# Altium PCB LimeSDR_1v2s.PcbDoc (part 7 of 9)
Units mm, origin at the board's own origin, x right, y up, seen from the top; angles counter-clockwise.
Board outline 100 x 60 mm, 12 copper layers (Top, L2, L3, L4, L5, L6, L7, L8, L9, L10, L11, Bottom), stack 1.58 mm thick; 795 components, 584 nets, 3854 pads, 2079 vias.
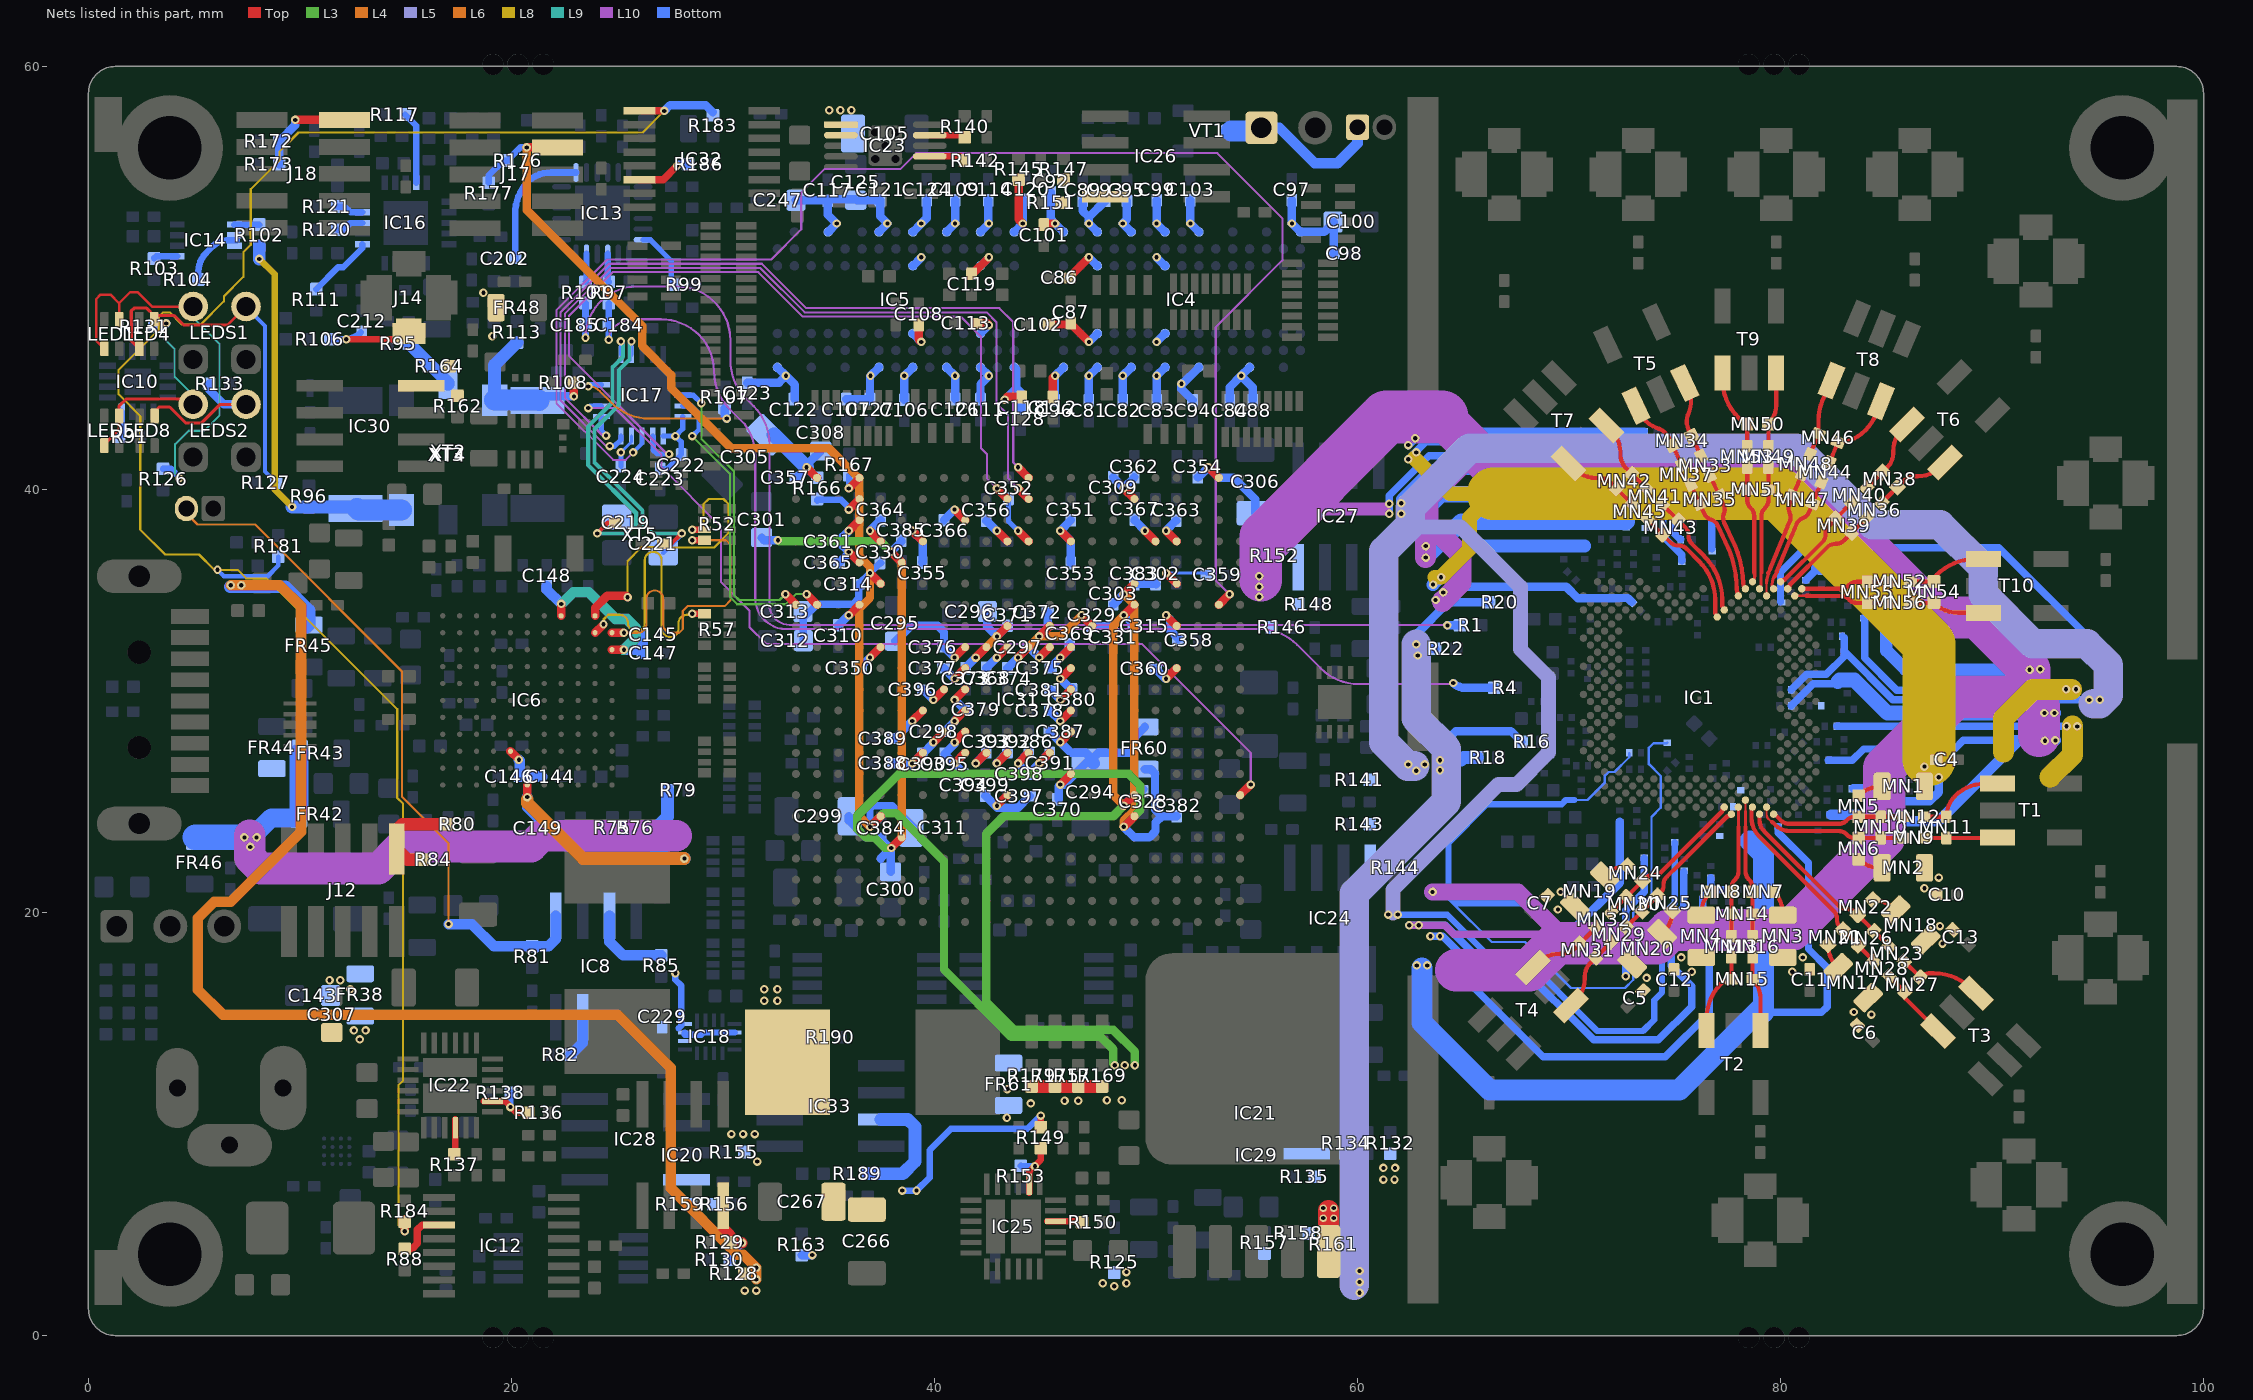
[diagram p17: the nets of this part, all layers, seen from the top]

## Via types
v1: diameter 0.4, hole 0.2, Top to Bottom, tented both sides, 1231 vias
v2: diameter 0.4, hole 0.2, Top to Bottom, tented top, 420 vias
v3: diameter 0.4, hole 0.2, Top to Bottom, 281 vias
v4: diameter 0.35, hole 0.2, Top to Bottom, tented top, 86 vias
v5: diameter 0.35, hole 0.2, Top to Bottom, tented both sides, 41 vias
v6: diameter 0.5, hole 0.2, Top to Bottom, tented both sides, 20 vias

## Nets (pads, with @x,y where several pads share a name; then routed paths per layer and width w, separated by ;. In a path a pad name is that pad's centre, name@x,y a point inside that pad or via, vN(x,y) a via of type N, cw(c..) or ccw(c..) an arc to the next point about the centre after c; other vN are vias at no path point) (continued)
NetIC6_K10: IC6.K10 R57.1 | length 13.9
  Top w0.3: v1(28.55,34.125) R57.1@29.125,34.125
  Top w0.4: IC6.K10@23.95,33.225 v2(24.35,33.625)
  L8 w0.1: v2(24.35,33.625) 24.35,33.85 24.575,34.075 25.1,34.075 25.12,34.075 cw(c25.12,33.695) 25.5,33.695 ccw(c25.9,33.695) 25.9,33.295 ccw(c25.9,33.695) 26.3,33.695 26.3,34.075 26.3,36.65 cw(c26.7,36.65) 26.7,37.05 cw(c26.7,36.65) 27.1,36.65 27.1,34.075 27.1,33.425 ccw(c27.5,33.425) 27.5,33.025 ccw(c27.5,33.425) 27.9,33.425 27.9,33.675 cw(c28.3,33.675) 28.3,34.075 28.4,34.075 28.5,34.075 v1(28.55,34.125)
NetIC6_K11: IC6.K11 R52.5 | length 14.2
  Top w0.3: v1(28.55,38.1) R52.5@29.125,38.1
  Top w0.4: IC6.K11@23.95,34.025 23.95,34.4 24.525,34.975 25.416,34.975 v2(25.491,34.9)
  L8 w0.1: v2(25.491,34.9) 25.491,36.616 26.142,37.267 26.883,37.267 26.899,37.25 29.575,37.25 30.275,37.95 30.275,39.3 30.025,39.55 29.325,39.55 29.075,39.3 29.075,38.25 28.925,38.1 v1(28.55,38.1)
NetIC6_L10: IC6.L10 R52.7 | length 15.2
  Top w0.3: v1(28.55,37.6) R52.7@29.125,37.6
  Top w0.4: IC6.L10@24.75,33.225 v2(25.316,33.225)
  L4 w0.1: v2(25.316,33.225) 25.975,33.225 ccw(c25.975,33.625) 26.375,33.625 26.375,34.825 cw(c26.775,34.825) 26.775,35.225 cw(c26.775,34.825) 27.175,34.825 27.175,33.625 ccw(c27.575,33.625) 27.575,33.225 27.7,33.225 27.925,33.225 28.1,33.4 28.1,34.255 28.345,34.5 30.1,34.5 30.35,34.75 30.35,37.4 30.15,37.6 v1(28.55,37.6)
NetIC8_1: IC8.1 J13.2 R81.2 | length 33.1
  L4 w0.1: J13.2@4.63,39.1 4.63,38.87 5.158,38.342 7.88,38.342 14.825,31.397 14.825,30.789 14.825,25.467 16.299,23.994 17.025,23.267 v1(17.025,19.45)
  Bottom w0.5: v1(17.025,19.45) 18.125,19.45 19.175,18.4 R81.2@20.975,18.4 21.75,18.4 22.095,18.745 IC8.1@22.095,19.85
NetIC8_3: IC8.3 R85.2 | length 3.9
  Bottom w0.5: IC8.3@24.635,19.85 24.635,18.615 25.275,17.975 R85.2@27.075,17.975
NetIC8_7: IC8.7 R82.2 | length 2
  Bottom w0.5: R82.2@22.8,13.275 23.365,13.84 IC8.7@23.365,15.05
NetIC10_16: IC10.16 R91.2 | length 1.2
  Bottom w0.3: R91.2@1.475,42.5 1.575,42.6 IC10.16@1.575,43.675
NetIC12_3: IC12.3 R88.2 | length 2.5
  Top w0.35: R88.2@14.95,4.1 15.3,4.1 15.55,4.35 15.55,5 15.775,5.225 IC12.3@16.575,5.225
NetIC13_3: IC13.3 R97.2 | length 1.3
  Bottom w0.3: IC13.3@24.55,51.138 24.55,49.863 R97.2@24.6,49.813
NetIC13_5: IC13.5 R101.2 | length 1.3
  Bottom w0.3: R101.2@23.5,49.813 23.55,49.863 IC13.5@23.55,51.138
NetIC13_24: IC13.24 R99.2 | length 2.9
  Bottom w0.25: IC13.24@26.225,51.813 26.55,51.813 27.55,50.813 27.55,49.8 R99.2@27.675,49.675
NetIC14_1: IC14.1 R102.1 | length 1.2
  Bottom w0.309: IC14.1@6.9,52.525 R102.1@8.075,52.525
NetIC14_2: IC14.2 IC14.3 R104.2 | length 3
  Bottom w0.309: R104.2@5.2,49.925 5.2,50.3 cw(c6.467,50.3) 5.571,51.196 5.875,51.5 ; 5.875,51.5 cw(c6.539,50.836) 6.539,51.775 7,51.775
NetIC14_5: IC14.5 R103.2 | length 1.1
  Bottom w0.3: R103.2@3.1,50.925 3.2,51.025 IC14.5@4.2,51.025
NetIC16_11: IC16.11 R111.1 | length 3.2
  Bottom w0.3: R111.1@10.775,49.475 11.8,50.5 12.05,50.5 12.95,51.4 IC16.11@12.95,51.6
NetIC16_13: IC16.13 R120.2 | length 1.3
  Bottom w0.3: R120.2@11.775,52.275 12.05,52.275 12.375,52.6 IC16.13@12.95,52.6
NetIC16_14: IC16.14 R121.2 | length 1.3
  Bottom w0.3: R121.2@11.775,53.375 12.125,53.375 12.4,53.1 IC16.14@12.95,53.1
NetIC16_19: IC16.19 R117.1 | length 3.4
  Bottom w0.3: R117.1@14.975,57.725 15.5,57.2 IC16.19@15.5,54.5
NetIC20_4: IC20.4 R129.2 R130.2 | length 3.5
  Top w0.5: IC20.4@30.005,6.125 30.005,5.095 30.35,4.75 R129.2@30.35,4.4 30.875,4.4 v1(30.9,4.375)
  Bottom w0.4: R130.2@30.325,3.575 30.325,3.8 v1(30.9,4.375)
NetIC21_4: IC21.4 R134.2 R135.2
NetIC22_2: IC22.2 R136.2 R138.2 | length 3
  Top w0.309: IC22.2@18.7,11.075 IC22.2@19.1,11.075 19.7,11.075 20.25,10.525 R136.2@20.8,10.525
  Bottom w0.309: v1(19.95,10.8) 19.95,11.45 R138.2@19.975,11.475
NetIC22_22: IC22.22 R137.1 | length 1.6
  Top w0.309: R137.1@17.35,8.625 IC22.22@17.35,10.225
NetIC23_7: IC23.7 R142.2 | length 1.7
  Top w0.3: IC23.7@39.775,55.75 41.225,55.75 R142.2@41.425,55.55
NetIC23_9: IC23.9 R140.2 | length 1.7
  Top w0.3: IC23.9@39.775,56.75 41.325,56.75 R140.2@41.425,56.65
NetIC24_4: IC24.4 R143.2 R144.1
NetIC25_2: IC25.2 R149.2 R153.1 | length 3
  Top w0.309: IC25.2@44.475,6.75 IC25.2@44.475,7.15 44.475,7.75 45.025,8.3 R149.2@45.025,8.85
  Bottom w0.309: R153.1@44.075,8.025 44.1,8 v1(44.75,8)
NetIC25_22: IC25.22 R150.1 | length 1.6
  Top w0.309: IC25.22@45.325,5.4 R150.1@46.925,5.4
NetIC26_4: IC26.4 R147.2 R151.2
NetIC27_4: IC27.4 R148.2 R152.2
NetIC28_4: IC28.4 R156.2 R159.2
NetIC29_5: IC29.5 R158.2 R161.1 | length 1.9
  Top w1: IC29.5@58.635,3.975 58.635,5.905
  other v5: 58.375,5.55 58.875,5.55 58.375,6.025 58.875,6.025
NetIC30_4: IC30.4 R162.2 R164.2
NetIC31_AA19: IC31.AA19 R166.1 | length 2.5
  Top w0.4: v1(35.95,39.05) IC31.AA19@36.45,39.55
  Bottom w0.309: R166.1@34.454,39.479 34.454,39.505 35.595,39.505 35.95,39.15 v1(35.95,39.05)
NetIC31_AB19: IC31.AB19 R167.2 | length 1.3
  Top w0.4: v1(35.95,40.05) IC31.AB19@36.45,40.55
  Bottom w0.309: v1(35.95,40.05) 35.975,40.075 R167.2@35.975,40.675
NetIC32_1: IC32.1 R181.1 R183.2 R184.1 | length 90.8
  Top w0.35: IC32.1@26.175,57.9 v1(27.225,57.9)
  Top w0.4: v1(14.95,4.925) R184.1@14.95,5.5
  L8 w0.1: v1(14.95,4.925) 14.65,5.225 14.65,11.83 14.875,12.055 14.875,25.141 14.6,25.416 14.6,29.607 8.407,35.8 7.461,35.8 7.061,36.2 v1(6.1,36.2) 5.95,36.2 5.225,36.925 3.624,36.925 2.45,38.099 2.45,43.472 1.425,44.497 1.425,45.653 3.325,47.553 3.325,48.17 3.53,48.375 3.845,48.375 4.42,47.8 5.302,47.8 6.4,48.898 6.4,49.125 7.325,50.05 7.325,51.216 7.675,51.566 7.675,54.2 9.025,55.55 9.025,55.97 9.93,56.875 26.2,56.875 v1(27.225,57.9)
  Bottom w0.2: v1(6.1,36.2) 6.4,35.9 8.475,35.9 8.975,36.4 R181.1@8.975,36.825
  Bottom w0.4: v1(27.225,57.9) 27.5,58.175 29.175,58.175 R183.2@29.525,57.825
NetIC32_6: IC32.6 R186.1 | length 2.6
  Top w0.35: IC32.6@26.05,54.65 27.175,54.65 v1(27.825,55.3)
  Bottom w0.35: v1(27.825,55.3) 27.9,55.375 R186.1@28.35,55.375
NetIC33_3: IC33.3 R190.2 | length 4.2
  Bottom w0.6: IC33.3@32.675,11.485 33.985,11.485 34.575,12.075 R190.2@34.575,14.1
NetIC33_7: IC33.7 R189.2 | length 5.9
  Bottom w0.6: R189.2@36.85,7.65 38.5,7.65 39.075,8.225 39.075,9.875 38.735,10.215 IC33.7@37.475,10.215
NetJ12_10: J12.10 R80.1 R84.2 | length 4.8
  Top w0.6: R84.2@15.8,22.5 15.075,22.5 J12.10@14.575,23 14.575,23.9 14.85,24.175 R80.1@16.925,24.175
NetJ18_2: J18.2 R172.2 R173.2 | length 4.7
  Top w0.4: v1(9.775,57.475) J18.2@12.1,57.475
  Bottom w0.4: R173.2@9.025,55.375 R172.2@9.025,56.475 9.775,57.225 v1(9.775,57.475)
NetJ19_1: J19.1 J20.1 VT1.D | length 7.6
  Bottom w0.5: J19.1@55.455,57.1 56.3,57.1 57.975,55.425 59.053,55.425 60,56.372 J20.1@60,57.125
  Bottom w1: VT1.D@54.05,56.95 J19.1@55.255,56.95
NetLED1_1: LED1.1 LED1.4 LEDS1.A1 R126.2 | length 19.6
  Top w0.12: LED1.4@0.75,46.65 0.36,47.04 0.36,48.994 0.576,49.21 1.04,49.21 1.445,48.805 1.976,49.335 2.322,49.335 3.007,48.65 LEDS1.A1@4.95,48.65 ; LED1.1@1.45,48.05 1.45,48.805
  L9 w0.1: v1(4.3,40.525) 4.1,40.725 4.1,42.142 4.733,42.775 5.468,42.775 6.2,43.507 6.2,46.873 4.95,48.123 LEDS1.A1@4.95,48.625
  Bottom w0.3: R126.2@3.525,40.975 3.9,40.975 v1@4.3,40.575
NetLED4_1: LED4.1 LED4.4 LEDS1.A2 R127.2 | length 17
  Top w0.15: LED4.4@2.4,46.65 2.025,47.025 2.025,48.443 2.157,48.575 2.75,48.575 3.1,48.225 4.05,48.225 4.5,47.775 6.575,47.775 LEDS1.A2@7.45,48.65
  Bottom w0.2: LEDS1.A2@7.45,48.625 8.35,47.725 8.35,40.85 R127.2@8.875,40.325 ; R127.2@8.788,40.237 R127.2@8.8,40.225
NetLED5_1: LED5.1 LED5.4 LEDS2.A1 R131.2 | length 10.9
  Top w0.15: LED5.4@0.75,42.075 0.75,42.143 1.45,42.843 LED5.1@1.45,43.475 1.45,43.95 1.775,44.275 4.7,44.275 LEDS2.A1@4.95,44.025
  L9 w0.1: v1(3.675,47.85) 3.6,47.775 3.6,47.1 4.075,46.625 4.075,45.325 4.95,44.45 LEDS2.A1@4.95,44.025
  Bottom w0.4: R131.2@3.125,47.7 3.525,47.7 v1(3.675,47.85)
NetLED8_1: LED8.1 LEDS2.A2 R133.2 | length 7.6
  Top w0.15: LED8.1@3.125,43.475 3.125,43.675 3.35,43.9 3.838,43.9 4.588,43.15 5.35,43.15 6.225,44.025 LEDS2.A2@7.45,44.025
  Bottom w0.4: R133.2@5.7,45 5.7,44.725 6.4,44.025 LEDS2.A2@7.45,44.025
NetMN1_1: MN1.1 MN5.2 | length 1.2
  Top w0.2: MN5.2@83.695,25.523 cw(c84.72,24.498) 84.72,25.947 MN1.1@84.805,25.947
NetMN2_1: MN2.1 MN6.2 | length 1.2
  Top w0.2: MN6.2@83.695,22.523 ccw(c84.711,23.538) 84.711,22.102 MN2.1@84.806,22.102
NetMN3_1: MN3.1 MN7.2 | length 1.2
  Top w0.2: MN7.2@79.68,20.984 cw(c78.656,19.959) 80.105,19.959 MN3.1@80.105,19.874
NetMN4_1: MN4.1 MN8.2 | length 1.2
  Top w0.2: MN4.1@76.26,19.874 76.26,19.969 cw(c77.696,19.969) MN8.2@76.681,20.984
NetMN17_1: MN17.1 MN21.2 | length 1.2
  Top w0.2: MN21.2@82.242,18.466 ccw(c83.678,18.466) 82.663,17.45 MN17.1@82.73,17.383
NetMN18_1: MN18.1 MN22.2 | length 1.2
  Top w0.2: MN22.2@84.364,20.587 cw(c84.364,19.137) 85.389,20.162 MN18.1@85.449,20.102
NetMN19_1: MN19.1 MN24.2 | length 1.2
  Top w0.2: MN19.1@71.689,21.711 71.756,21.778 cw(c72.771,20.763) MN24.2@72.771,22.199
NetMN20_1: MN20.1 MN25.2 | length 1.2
  Top w0.2: MN20.1@74.408,18.993 74.468,19.053 ccw(c73.443,20.077) MN25.2@74.892,20.077
NetR95_1: R95.1 XT2.6 | length 2.7
  Bottom w0.6: R95.1@15.15,46.9 17,45.05 XT2.6@17,44.975
NetR96_2: R96.2 R102.2 XT2.4 XT3.3 XT4.3 | length 18.2
  L8 w0.3: v1(8.075,50.9) 8.8,50.175 8.8,40 v1(9.625,39.175)
  Bottom w0.6: v1(8.075,50.9) R102.2@8.075,51.525 ; v1(9.625,39.175) R96.2@10.425,39.175 XT3.3@12.7,39.175
  Bottom w1: XT3.3@12.7,39.1 12.775,39.025 XT2.4@14.8,39.025
REF_ADF: C202.2 IC13.13 | length 6.2
  Bottom w0.309: C202.2@20.175,50.9 20.175,53.039 cw(c22.405,53.039) 20.416,54.048 cw(c22.405,53.039) 20.828,54.615 cw(c21.877,53.323) 21.877,54.988 IC13.13@23.05,54.988
REF_CLK: C212.1 J14.1 R106.2 | length 4.6
  Top w0.309: v1(12.19,47.1) 14.245,47.1 ccw(c14.245,48.38) J14.1@15.15,47.475
  Bottom w0.309: R106.2@11.425,47.1 12.09,47.1 ccw(c12.09,48.21) C212.1@12.875,47.425
RXPLL_CLK: C185.2 R1.2 R101.1 | length 57.6
  L10 w0.1: v1(23.5,47.175) cw(c25.925,47.175) 25.925,49.6 27.81,49.6 cw(c27.81,47.06) 30.35,47.06 30.35,46.096 ccw(c32.89,46.096) 30.621,44.954 ccw(c32.89,46.096) 31.094,44.3 31.456,43.937 cw(c29.66,42.141) 32.2,42.141 32.2,34.553 ccw(c33.153,34.553) 33.153,33.6 64.225,33.6 cw(c64.225,33.575) v1(64.25,33.575)
  Bottom w0.309: v1(23.5,47.175) 23.5,47.763 R101.1@23.5,48.813
  Bottom w0.4: v1(64.25,33.575) R1.2@64.85,33.575
RXRF1_HAB_N: IC1.AJ15 MN43.1 MN45.2 | length 6.1
  Top w0.2: MN45.2@73.703,38.59 MN43.1@74.445,37.848 74.794,37.5 ccw(c75.153,37.859) 75.153,37.351 75.199,37.351 cw(c75.199,36.843) 75.558,37.202 76.158,36.602 cw(c74.344,34.789) 76.909,34.789 76.909,34.705 76.909,34.214 ccw(c77.25,34.214) IC1.AJ15@77.009,33.972
RXRF1_HAB_P: IC1.AK14 MN41.2 MN43.2 | length 6
  Top w0.2: MN41.2@74.41,39.297 MN43.2@75.153,38.555 75.501,38.207 cw(c75.141,37.848) 75.649,37.848 75.649,37.802 ccw(c76.157,37.802) 75.798,37.443 76.398,36.843 cw(c74.361,34.805) 77.242,34.805 77.242,34.722 77.242,34.547 ccw(c77.583,34.547) IC1.AK14@77.342,34.305
RXRF1_HBB_N: MN42.1 MN45.1 T7.6 | length 3.7
  Top w0.2: T7.6@70.005,41.199 70.213,40.992 ccw(c71.29,42.069) 71.29,40.545 71.383,40.545 cw(c71.383,39.664) 72.006,40.287 72.228,40.065 MN42.1@72.253,40.04 MN45.1@72.996,39.297
RXRF1_HBB_P: MN41.1 MN42.2 T7.4 | length 3.7
  Top w0.2: T7.4@71.776,43.021 71.984,42.813 cw(c70.906,41.735) 72.43,41.735 72.43,41.642 ccw(c73.311,41.642) 72.688,41.019 ; 72.713,40.994 MN42.2@72.961,40.747 73.42,40.287 MN41.1@73.703,40.004
RXRF1_LAB_N: IC1.AM12 MN35.1 MN37.2 | length 5.8
  Top w0.2: MN37.2@75.755,40.245 76.199,39.294 76.407,38.847 ccw(c76.868,39.062) 76.694,38.585 76.737,38.569 cw(c76.563,38.092) 77.024,38.306 ; 77.037,38.278 77.53,37.221 cw(c72.932,35.248) 77.935,35.269 ccw(c78.277,35.269) IC1.AM12@78.035,35.027
RXRF1_LAB_P: IC1.AN11 MN33.2 MN35.2 | length 5.7
  Top w0.2: MN33.2@76.662,40.668 77.105,39.716 77.313,39.27 cw(c76.853,39.055) 77.33,38.882 77.315,38.839 ccw(c77.792,38.665) 77.332,38.45 77.838,37.365 cw(c73.24,35.391) 78.241,35.546 ccw(c78.582,35.546) IC1.AN11@78.341,35.304
RXRF1_LBB_N: MN34.1 MN37.1 T5.3 | length 3.7
  Top w0.2: T5.3@73.173,43.962 73.297,43.696 ccw(c74.678,44.34) 74.157,42.908 74.244,42.876 cw(c73.942,42.048) 74.741,42.42 MN34.1@74.889,42.103 MN37.1@75.333,41.152
RXRF1_LBB_P: MN33.1 MN34.2 T5.1 | length 3.7
  Top w0.2: T5.1@75.475,45.035 75.653,44.653 cw(c74.552,44.14) 75.693,43.724 75.618,43.517 ccw(c76.446,43.215) 75.647,42.843 MN34.2@75.795,42.526 76.07,41.937 MN33.1@76.239,41.574
RXRF1_WAB_N: IC1.AP10 MN51.2 MN53.2 | length 5.5
  Top w0.16: IC1.AP10@78.674,35.637 ccw(c78.428,35.884) 78.776,35.884 78.776,36.019 cw(c78.824,36.067) 78.756,36.067
  Top w0.2: MN53.2@78.426,41.042 MN51.2@78.426,39.992 78.426,39.5 ccw(c78.934,39.5) 78.575,39.141 78.607,39.109 cw(c78.248,38.749) 78.756,38.749 78.756,36.067
RXRF1_WAB_P: IC1.AN9 MN49.2 MN51.1 | length 5.9
  Top w0.14: IC1.AN9@79.007,35.304 ccw(c78.84,35.471) 79.076,35.471 79.076,35.769
  Top w0.16: 79.076,35.769 79.076,36.023 ccw(c79.028,36.071) 79.096,36.071
  Top w0.2: 79.096,36.071 79.096,38.749 cw(c79.604,38.749) 79.245,39.109 79.277,39.141 ccw(c78.918,39.5) 79.426,39.5 MN51.1@79.426,39.992 MN49.2@79.426,41.042
RXRF1_WBB_N: MN50.1 MN53.1 T9.3 | length 3.9
  Top w0.2: T9.3@77.256,45.502 77.256,45.197 ccw(c79.796,45.197) 78,43.401 78.226,43.175 ccw(c78.426,43.376) MN50.1@78.426,43.092 MN53.1@78.426,42.042
RXRF1_WBB_P: MN49.1 MN50.2 T9.1 | length 3.6
  Top w0.2: MN49.1@79.426,42.042 MN50.2@79.426,43.092 ccw(c78.533,43.986) 79.796,43.986 T9.1@79.796,45.502
RXRF2_HAB_N: IC1.AM8 MN47.1 MN48.2 | length 6.1
  Top w0.11: IC1.AM8@79.34,34.971 79.34,35.567
  Top w0.15: 79.34,35.567 cw(c80.399,35.567) 79.439,36.015
  Top w0.2: 79.421,36.046 79.515,36.249 ; 79.508,36.245 80.452,38.524 ; 80.437,38.487 ccw(c79.968,38.681) 80.437,38.876 80.42,38.918 cw(c80.889,39.113) 80.42,39.307 MN47.1@80.589,39.716 MN48.2@81.01,40.732
RXRF2_HAB_P: IC1.AN7 MN44.2 MN47.2 | length 5.6
  Top w0.14: 79.605,35.469 ccw(c79.837,35.469) IC1.AN7@79.673,35.304
  Top w0.15: 79.605,35.469 79.605,35.523 cw(c80.417,35.523) 79.681,35.866
  Top w0.2: 79.726,35.894 79.82,36.096 ; 79.819,36.106 80.751,38.357 cw(c81.221,38.162) 81.026,38.632 81.069,38.649 ccw(c80.874,39.119) 81.344,38.924 MN47.2@81.513,39.333 MN44.2@81.934,40.349
RXRF2_HBB_N: MN46.1 MN48.1 T8.6 | length 3.7
  Top w0.2: MN48.1@81.393,41.656 MN46.1@81.794,42.626 81.795,43.253 cw(c84.335,43.253) T8.6@82.538,45.049
RXRF2_HBB_P: MN44.1 MN46.2 T8.4 | length 4.5
  Top w0.2: MN44.1@82.317,41.273 82.47,41.643 MN46.2@82.718,42.243 ccw(c82.718,44.028) 83.98,42.766 84.004,42.789 ccw(c82.208,44.586) T8.4@84.748,44.586
RXRF2_LAB_N: IC1.AP6 MN39.1 MN40.2 | length 5.1
  Top w0.2: IC1.AP6@80.006,35.637 80.041,35.672 cw(c80.199,35.514) 80.199,35.737 81.983,37.522 ccw(c81.624,37.881) 82.132,37.881 82.132,37.927 cw(c82.64,37.927) 82.28,38.286 82.628,38.634 MN40.2@83.371,39.376
RXRF2_LAB_P: IC1.AN5 MN36.2 MN39.2 | length 5.1
  Top w0.2: IC1.AN5@80.339,35.304 80.374,35.339 ccw(c80.215,35.497) 80.439,35.497 82.223,37.281 cw(c82.582,36.922) 82.582,37.43 82.628,37.43 ccw(c82.628,37.938) 82.987,37.579 83.336,37.927 MN36.2@84.078,38.669
RXRF2_LBB_N: MN38.1 MN40.1 T6.3 | length 3.7
  Top w0.2: MN40.1@84.078,40.083 MN38.1@84.82,40.826 84.846,40.851 85.068,41.073 ccw(c84.445,41.697) 85.326,41.696 85.326,41.789 cw(c86.85,41.789) 85.772,42.867 T6.3@85.98,43.075
RXRF2_LBB_P: MN36.1 MN38.2 T6.1 | length 3.7
  Top w0.2: MN36.1@84.785,39.376 85.068,39.659 MN38.2@85.528,40.119 85.775,40.366 cw(c86.398,39.743) 86.398,40.624 86.491,40.624 ccw(c86.491,42.148) 87.568,41.071 T6.1@87.776,41.278
RXRF2_WAB_N: IC1.AM4 MN55.2 MN56.2 | length 4.6
  Top w0.11: IC1.AM4@80.672,34.971 81.226,34.971
  Top w0.2: 81.226,34.971 81.373,34.971 81.377,34.968 82.851,34.968 cw(c82.851,34.46) 83.21,34.819 83.243,34.787 ccw(c83.602,35.146) 83.602,34.638 MN55.2@84.094,34.638 MN56.2@85.144,34.638
RXRF2_WAB_P: IC1.AN3 MN52.2 MN55.1 | length 4.2
  Top w0.2: IC1.AN3@81.005,35.304 81.369,35.304 81.373,35.308 82.851,35.308 ccw(c82.851,35.816) 83.21,35.457 83.243,35.489 cw(c83.602,35.13) 83.602,35.638 MN55.1@84.094,35.638 MN52.2@85.144,35.638
RXRF2_WBB_N: MN54.1 MN56.1 T10.1 | length 3.5
  Top w0.2: MN56.1@86.144,34.638 86.544,34.638 MN54.1@87.194,34.638 ; MN54.1@87.254,34.643 ccw(c88.401,35.79) 88.401,34.168 T10.1@89.604,34.168
RXRF2_WBB_P: MN52.1 MN54.2 T10.3 | length 3.8
  Top w0.2: MN52.1@86.144,35.638 MN54.2@87.194,35.638 ; MN54.2@87.254,35.643 cw(c87.704,35.643) 87.386,35.961 87.389,35.964 cw(c89.185,34.168) 89.185,36.708 T10.3@89.604,36.708
SI5351_XTAL_N: C221.2 IC17.2 XT5.3 | length 15.3
  Top w0.2: C221.2@27.175,37.425 27.55,37.425 v1(28.05,37.925)
  L9 w0.2: v1(25.675,47) 25.575,46.9 25.575,46.151 25.075,45.651 25.075,44.001 23.925,42.851 23.925,41.274 26.2,38.999 26.2,38.4 26.675,37.925 v1(28.05,37.925)
  Bottom w0.2: IC17.2@25.675,46.375 v1(25.675,47) ; XT5.3@27.175,37 28.05,37.875 v1(28.05,37.925)
SI5351_XTAL_P: C219.2 IC17.1 XT5.1 | length 15.2
  Top w0.2: v1(24.05,37.925) 24.55,38.425 C219.2@24.9,38.425
  L9 w0.2: v1(24.05,37.925) 25.425,37.925 25.9,38.4 25.9,38.875 23.625,41.15 23.625,42.975 24.775,44.125 24.775,45.775 25.275,46.275 25.275,46.9 v1(25.175,47)
  Bottom w0.2: v1(24.05,37.925) 24.825,38.7 XT5.1@24.975,38.7 ; IC17.1@25.175,46.375 v1(25.175,47)
SI_CLK0: IC17.13 IC31.T2 | length 70
  Top w0.4: IC31.T2@53.45,34.55 v2(53.95,35.05)
  L10 w0.1: v1(25.75,41.75) 25.4,41.4 24.805,41.4 22.125,44.08 22.125,48.475 24.525,50.875 32.275,50.875 33.7,52.3 33.7,54.05 34.795,55.145 38.375,55.145 39.13,55.9 53.37,55.9 56.45,52.82 56.45,50.83 53.3,47.68 53.3,35.7 v2(53.95,35.05)
  Bottom w0.2: v1(25.75,41.75) 26.175,42.175 IC17.13@26.175,42.525
SI_CLK1: IC17.12 IC31.AA12 | length 39.8
  Top w0.4: v1(42.95,40.05) IC31.AA12@43.45,39.55
  L10 w0.1: v1(27.45,41.675) 27.355,41.675 22.725,46.305 22.725,48.226 24.774,50.275 31.675,50.275 33.775,48.175 41.25,48.175 42.2,47.225 42.2,41.95 42.475,41.675 42.475,40.525 v1(42.95,40.05)
  Bottom w0.25: IC17.12@26.675,42.525 26.7,42.5 26.7,41.875 26.9,41.675 v1(27.45,41.675)
SI_CLK2: IC17.9 IC31.T21 | length 15.1
  Top w0.4: v1(33.95,35.05) IC31.T21@34.45,34.55
  L3 w0.1: v1(28.55,42.525) 30.325,40.75 30.325,34.922 30.672,34.575 32.97,34.575 33.445,35.05 v1(33.95,35.05)
  Bottom w0.25: IC17.9@28.1,43.95 28.499,43.95 28.875,43.574 28.875,42.85 v1(28.55,42.525)
SI_CLK3: IC17.8 IC31.T22 | length 14.1
  Top w0.4: v1(32.95,35.05) IC31.T22@33.45,34.55
  L3 w0.1: v1(28.975,44.075) 28.975,42.4 30.525,40.85 30.525,35.005 30.755,34.775 32.675,34.775 v1(32.95,35.05)
  Bottom w0.25: IC17.8@28.1,44.45 28.6,44.45 v1(28.975,44.075)
SI_CLK4: IC17.19 R107.2 | length 8.3
  L4 w0.1: v1(23.625,44.875) cw(c23.625,44.09) 24.18,44.645 24.731,44.094 ccw(c26.527,45.89) 26.527,43.35 v1(30.175,43.35)
  Bottom w0.25: v1(23.625,44.875) 23.7,44.95 IC17.19@24.25,44.95 ; R107.2@30.025,43.875 R107.2@30.05,43.9
  Bottom w0.4: R107.2@30.075,43.85 30.075,43.45 v1(30.175,43.35)
SI_CLK5: IC17.17 IC31.G1 | length 43.3
  Top w0.4: IC31.G1@54.45,25.55 v2(54.95,26.05)
  L10 w0.1: v1(23.625,43.85) 24.897,43.85 27.1,41.647 27.1,41.045 29.9,38.245 29.9,35.63 31.25,34.28 31.25,33.5 32.05,32.7 49.795,32.7 54.95,27.545 v2(54.95,26.05)
  Bottom w0.25: v1(23.625,43.85) 23.725,43.95 IC17.17@24.25,43.95
SI_CLK6: IC17.16 IC31.AA11 | length 39
  Top w0.4: v1(43.95,40.05) IC31.AA11@44.45,39.55
  L10 w0.1: v1(24.475,42.55) 24.305,42.55 22.525,44.33 22.525,48.309 24.691,50.475 31.758,50.475 33.858,48.375 42.47,48.375 42.925,47.92 42.925,44.075 43.475,43.525 43.475,40.525 v1(43.95,40.05)
  Bottom w0.25: IC17.16@24.25,43.45 24.25,42.775 v1(24.475,42.55)
SI_CLK7: IC17.15 IC31.AB11 | length 39.4
  Top w0.4: v1(43.95,41.05) IC31.AB11@44.45,40.55
  L10 w0.1: v1(24.65,42.05) 24.48,42.05 22.325,44.205 22.325,48.392 24.608,50.675 31.841,50.675 33.941,48.575 43.07,48.575 43.725,47.92 43.725,41.275 v1(43.95,41.05)